# Altium PCB Main.PcbDoc (part 2 of 2)
Units mil, origin at the board's own origin, x right, y up, seen from the top; angles counter-clockwise.
Board outline 4133.86 x 4133.86 mil, 2 copper layers (Top Layer, Bottom Layer), stack 55.118 mil thick; 98 components, 143 nets, 449 pads, 452 vias.
Unrouted connection lines stored in the file: 10.
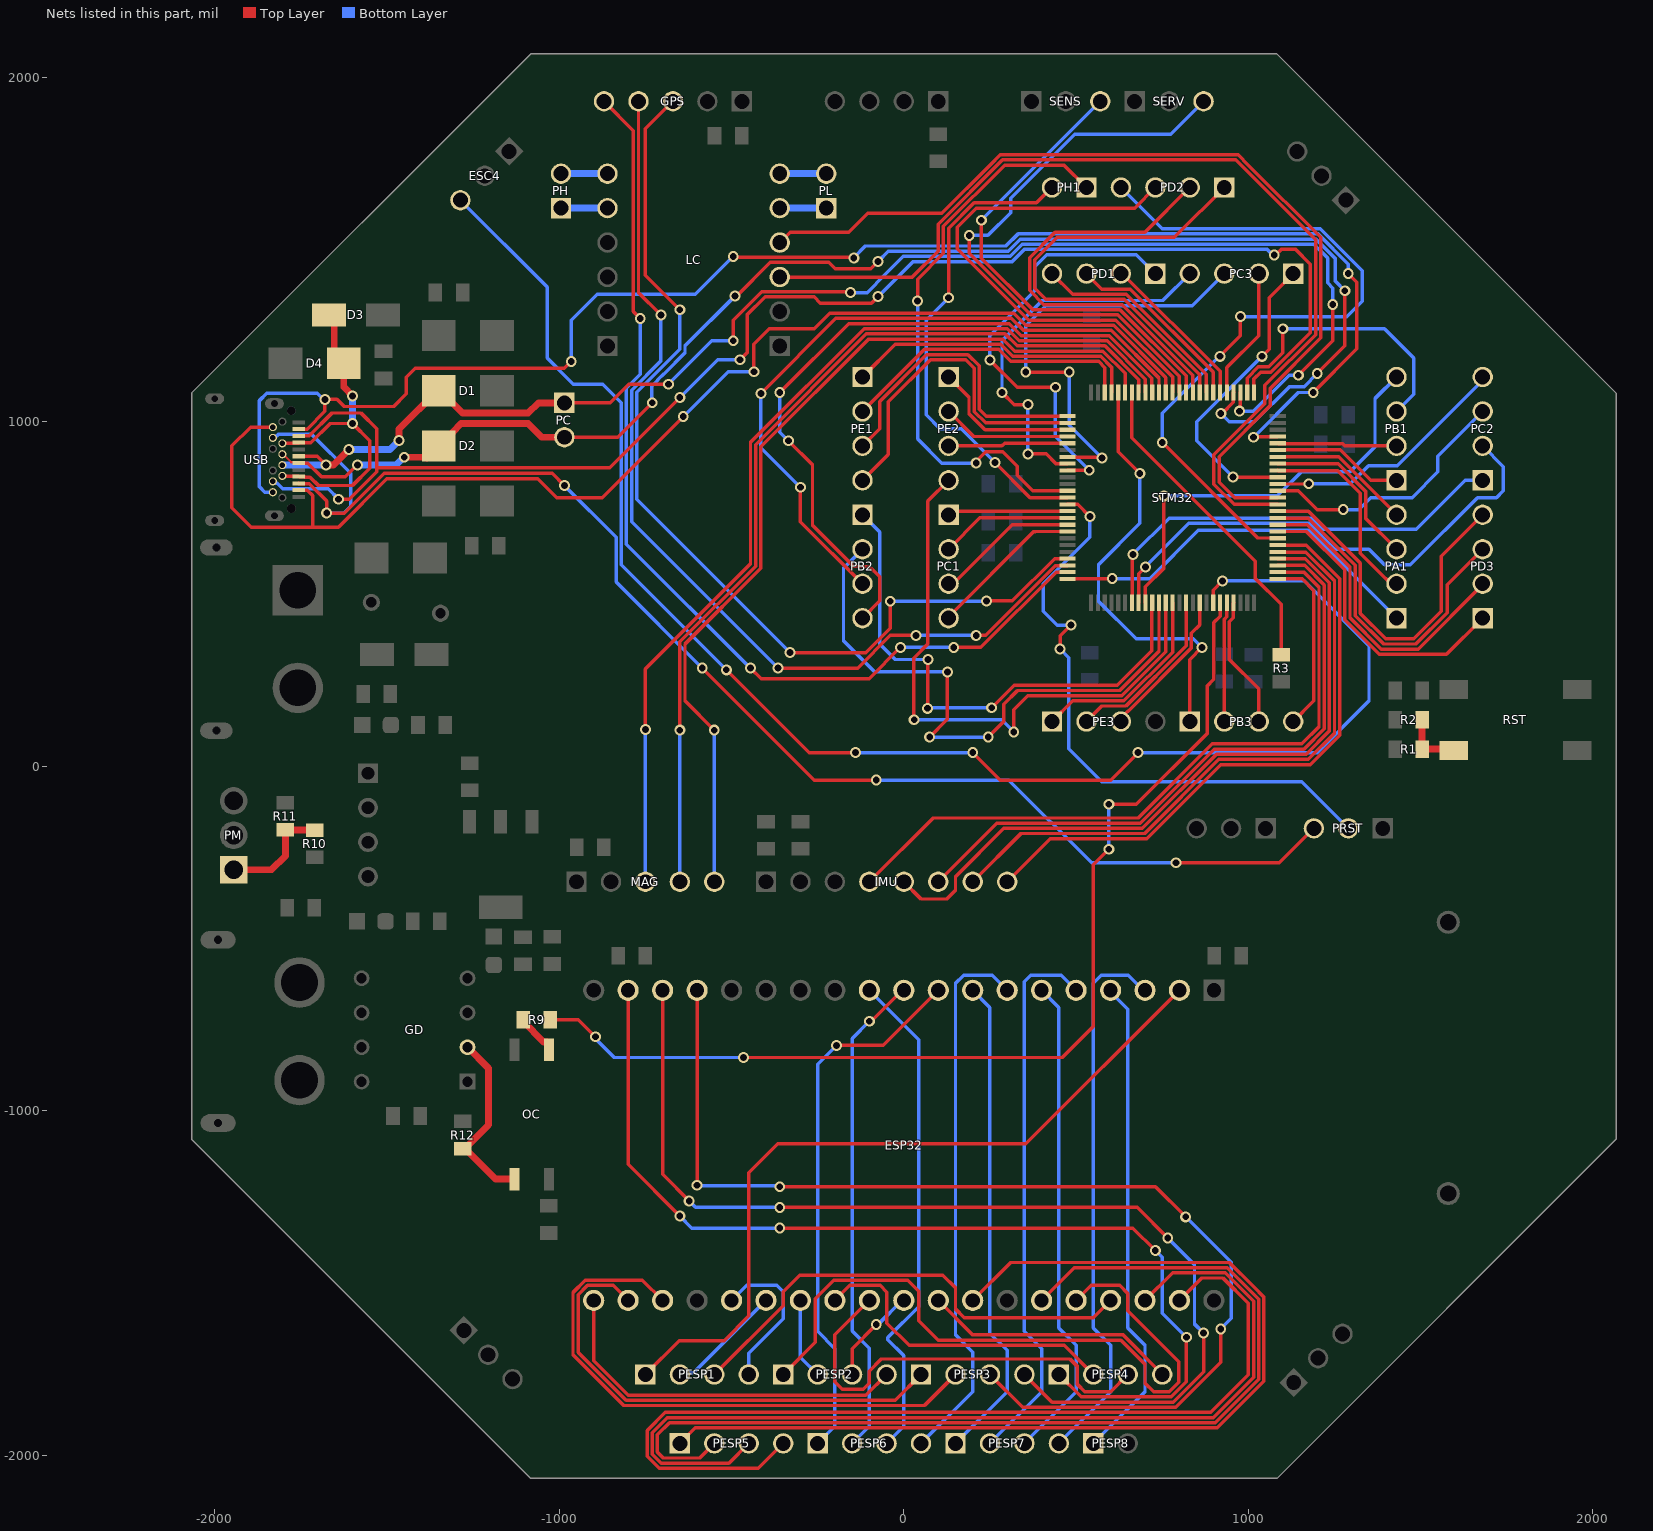
[diagram p2: the nets of this part, all layers, seen from the top]

## Via types
v1: diameter 31.5, hole 19.68, Top Layer to Bottom Layer, 445 vias
v2: diameter 196.85, hole 137.8, Top Layer to Bottom Layer, 4 vias
v3: diameter 50, hole 28, Top Layer to Bottom Layer, 3 vias

## Nets (pads, with @x,y where several pads share a name; then routed paths per layer and width w, separated by ;. In a path a pad name is that pad's centre, name@x,y a point inside that pad or via, vN(x,y) a via of type N, cw(c..) or ccw(c..) an arc to the next point about the centre after c; other vN are vias at no path point) (continued)
NetESC4_3: ESC4.3 STM32.44 | length 4562.8
  Top Layer w10: v1(-515,280) -275,40 v1(-140,40) ; v1(200,40) 280,-40 600,-40 v1(680,40) ; STM32.44@898.11,474.88 898.11,511.46 v1(924.74,538.08)
  Bottom Layer w10: ESC4.3@-1286.93,1643.07 -1035,1391.14 -1035,1185 -958.75,1108.75 -873.75,1108.75 -820,1055 -820,585 v1(-515,280) ; v1(-140,40) v1(200,40) ; v1(680,40) 1200,40 1350,190 1350,350 1161.92,538.08 v1(924.74,538.08)
NetESP32_2: ESP32.2 PESP1.1 | length 2254.9
  Top Layer w10: PESP1.1@-750,-1765 -651.53,-1666.53 -521.53,-1666.53 -450,-1595 -450,-1180 -365.89,-1095.89 354.11,-1095.89 ESP32.2@800,-650
NetESP32_3: ESP32.3 PESP7.4 | length 1594.6
  Bottom Layer w10: PESP7.4@450,-1965 600,-1815 600,-1680 550,-1630 550,-629.39 572.98,-606.42 651.42,-606.42 ESP32.3@697.5,-652.5
NetESP32_4: ESP32.4 PESP8.1 | length 1417.1
  Bottom Layer w10: PESP8.1@550,-1965 574.53,-1940.47 700,-1815 700,-1680 650,-1630 650,-705 ESP32.4@597.5,-652.5
NetESP32_5: ESP32.5 PESP7.2 | length 1602.8
  Bottom Layer w10: PESP7.2@250,-1965 400,-1815 400,-1690 350,-1640 350,-625 368.58,-606.42 456.42,-606.42 ESP32.5@502.98,-652.98
NetESP32_6: ESP32.6 PESP7.3 | length 1418.2
  Bottom Layer w10: PESP7.3@350,-1965 500,-1815 500,-1680 450,-1630 450,-700 ESP32.6@400.27,-650.27
NetESP32_7: ESP32.7 PESP6.4 | length 1595.7
  Bottom Layer w10: PESP6.4@50,-1965 200,-1815 200,-1700 150,-1650 150,-630 173.58,-606.42 256.42,-606.42 ESP32.7@300,-650
NetESP32_8: ESP32.8 PESP7.1 | length 1418.6
  Bottom Layer w10: PESP7.1@150,-1965 300,-1815 300,-1695 250,-1645 250,-700 ESP32.8@200,-650
NetESP32_9: ESP32.9 PESP6.1 | length 1580.5
  Top Layer w10: v1(-195,-810) -60,-810 ESP32.9@100,-650
  Bottom Layer w10: PESP6.1@-250,-1965 -200,-1915 -200,-1690 -250,-1640 -250,-865 v1(-195,-810)
NetESP32_10: ESP32.10 PESP6.2 | length 1424.4
  Top Layer w10: v1(-100,-740) -95,-740 -5,-650 ESP32.10@0,-650
  Bottom Layer w10: PESP6.2@-150,-1965 -100,-1915 -100,-1688.76 -150,-1638.76 -150,-790 v1(-100,-740)
NetESP32_11: ESP32.11 PESP6.3 | length 1451.4
  Bottom Layer w10: ESP32.11@-100,-650 43.58,-793.58 43.58,-1568.05 -46.08,-1657.71 -46.08,-1663.92 0,-1710 0,-1915 PESP6.3@-50,-1965
NetESP32_16: ESP32.16 PESP3.3 | length 3273.7
  Top Layer w10: v1(-600,-1215.76) ESP32.16@-600,-650 ; v1(-360,-1220) 730.48,-1220 v1(817.99,-1307.51) ; PESP3.3@250,-1765 345,-1860 788.64,-1860 919.65,-1728.99 v1(919.65,-1632.59)
  Bottom Layer w10: v1(-600,-1215.76) -597.88,-1217.88 -362.12,-1217.88 v1(-360,-1220) ; v1(817.99,-1307.51) 950,-1439.52 950,-1602.24 v1(919.65,-1632.59)
NetESP32_17: ESP32.17 PESP3.4 | length 3098
  Top Layer w10: ESP32.17@-700,-650 -700,-1184.47 v1(-622.98,-1261.49) ; v1(-360,-1280) 677.38,-1280 v1(766.19,-1368.81) ; PESP3.4@350,-1765 430,-1845 782.43,-1845 870,-1757.43 v1(870,-1645)
  Bottom Layer w10: v1(-622.98,-1261.49) -604.47,-1280 v1(-360,-1280) ; v1(766.19,-1368.81) 843.58,-1446.2 843.58,-1618.58 v1(870,-1645)
NetESP32_18: ESP32.18 PESP4.1 | length 2972.3
  Top Layer w10: ESP32.18@-800,-650 -800,-1155 v1(-650,-1305) ; v1(-360,-1340) 665,-1340 v1(730,-1405) ; PESP4.1@450,-1765 515,-1830 776.21,-1830 820.23,-1785.98 v1(820.23,-1656.95)
  Bottom Layer w10: v1(-650,-1305) -615,-1340 v1(-360,-1340) ; v1(730,-1405) 750,-1425 750,-1586.71 v1(820.23,-1656.95)
NetESP32_21: ESP32.21 PESP5.4 | length 2791.3
  Top Layer w10: PESP5.4@-350,-1965 -422.4,-2037.4 -710.02,-2037.4 -745,-2002.43 -745,-1927.57 -692.43,-1875 891.36,-1875 1000,-1766.36 1000,-1558.64 926.36,-1485 865,-1485 ESP32.21@800,-1550
NetESP32_22: ESP32.22 PESP5.3 | length 2791.3
  Top Layer w10: PESP5.3@-450,-1965 -507.4,-2022.4 -703.81,-2022.4 -730,-1996.21 -730,-1933.79 -686.21,-1890 855,-1890 876.21,-1890 897.57,-1890 1015,-1772.57 1015,-1751.21 1015,-1730 1015,-1552.43 985,-1522.43 932.57,-1470 780,-1470 ESP32.22@700,-1550
NetESP32_23: ESP32.23 PESP1.3 | length 1400.7
  Top Layer w10: PESP1.3@-550,-1765 -350,-1565 -350,-1525 -301.42,-1476.42 112.63,-1476.42 150,-1513.79 150,-1575 175,-1600 550,-1600 ESP32.23@600,-1550
NetESP32_24: ESP32.24 PESP2.1 | length 2058.9
  Top Layer w10: PESP2.1@-350,-1765 -256.42,-1671.42 -256.42,-1544.78 -203.05,-1491.42 11.42,-1491.42 43.58,-1523.58 43.58,-1608.58 100.31,-1665.31 630.31,-1665.31 700,-1735 700,-1790 725,-1815 770,-1815 797.6,-1787.4 797.6,-1727.6 650,-1580 650,-1530 626.42,-1506.42 543.58,-1506.42 ESP32.24@500,-1550
NetESP32_25: ESP32.25 PESP5.2 | length 2991.3
  Top Layer w10: PESP5.2@-550,-1965 -592.4,-2007.4 -697.6,-2007.4 -715,-1990 -715,-1940 -680,-1905 861.21,-1905 882.43,-1905 903.79,-1905 1030,-1778.79 1030,-1757.43 1030,-1736.21 1030,-1546.21 1000,-1516.21 938.79,-1455 495,-1455 ESP32.25@400,-1550
NetESP32_27: ESP32.27 PESP5.1 | length 2946.5
  Top Layer w10: PESP5.1@-650,-1965 -605,-1920 867.43,-1920 888.64,-1920 910,-1920 1045,-1785 1045,-1763.64 1045,-1742.43 1045,-1540 1015,-1510 945,-1440 310,-1440 ESP32.27@200,-1550
NetESP32_28: ESP32.28 PESP4.4 | length 739.8
  Top Layer w10: ESP32.28@100,-1550 200.31,-1650.31 636.52,-1650.31 750,-1763.79 PESP4.4@750,-1765
NetESP32_29: ESP32.29 PESP2.3 | length 283
  Top Layer w10: PESP2.3@-150,-1765 -150,-1690 v1(-80,-1620)
  Bottom Layer w10: v1(-80,-1620) -75,-1620 -5,-1550 ESP32.29@0,-1550
NetESP32_30: ESP32.30 PESP4.3 | length 1283.4
  Top Layer w10: ESP32.30@-100,-1550 -200,-1650 -200,-1785.61 -178.2,-1807.4 -117.4,-1807.4 -100,-1790 -100,-1755.04 -64.96,-1720 482.26,-1720 503.99,-1741.73 503.99,-1793.99 525,-1815 600,-1815 PESP4.3@650,-1765
NetESP32_31: ESP32.31 PESP4.2 | length 927.9
  Top Layer w10: ESP32.31@-200,-1550 -156.42,-1506.42 -68.58,-1506.42 -49.25,-1525.75 -49.25,-1615.75 15.31,-1680.31 465.31,-1680.31 PESP4.2@550,-1765
NetESP32_32: ESP32.32 PESP2.2 | length 235.7
  Bottom Layer w10: ESP32.32@-300,-1550 -300,-1715 PESP2.2@-250,-1765
NetESP32_33: ESP32.33 PESP1.2 | length 339.1
  Bottom Layer w10: PESP1.2@-650,-1765 -645.47,-1760.47 -610.47,-1760.47 ESP32.33@-400,-1550
NetESP32_34: ESP32.34 PESP1.4 | length 457.2
  Bottom Layer w10: ESP32.34@-500,-1550 -456.42,-1506.42 -368.58,-1506.42 -350,-1525 -350,-1602.83 -450,-1702.83 PESP1.4@-450,-1765
NetESP32_36: ESP32.36 PESP3.2 | length 1687.7
  Top Layer w10: ESP32.36@-700,-1550 -758.58,-1491.42 -924.27,-1491.42 -960,-1527.15 -960,-1707.43 -812.43,-1855 60,-1855 PESP3.2@150,-1765
NetESP32_37: ESP32.37 PESP3.1 | length 1425.6
  Top Layer w10: ESP32.37@-800,-1550 -843.58,-1506.42 -918.05,-1506.42 -945,-1533.36 -945,-1701.21 -806.21,-1840 -25,-1840 PESP3.1@50,-1765
NetESP32_38: ESP32.38 PESP2.4 | length 1091.3
  Top Layer w10: ESP32.38@-900,-1550 -900,-1725 -800,-1825 -110,-1825 PESP2.4@-50,-1765
NetGD_2: GD.2 OC.3 R12.2 | length 535.1
  Top Layer w20: R12.2@-1280,-1109.37 R12.2@-1274.09,-1109.37 ; GD.2@-1266.26,-815 -1205,-876.26 -1205,-1040.28 R12.2@-1274.09,-1109.37 ; OC.3@-1130,-1197.99 -1185.47,-1197.99 R12.2@-1274.09,-1109.37
NetGPS_3: GPS.3 STM32.22 | length 2874.5
  Top Layer w10: GPS.3@-670,1930 -750,1850 -750,1425 v1(-650,1325) ; v1(-330,330) -110,330 -39.25,400.75 v1(-39.25,479.25) ; v1(240,480) 315,480 437.83,602.83 STM32.22@474.88,602.83
  Bottom Layer w10: v1(-650,1325) -650,1210.03 -775,1085.03 -775,775 v1(-330,330) ; v1(-39.25,479.25) 239.25,479.25 v1(240,480)
NetGPS_4: GPS.4 STM32.23 | length 2846.6
  Top Layer w10: GPS.4@-770,1930 -770,1375 v1(-705,1310) ; v1(-365,285) -133.79,285 -38.79,380 v1(35,380) ; v1(210,380) 237.56,380 439.9,582.34 474.07,582.34 STM32.23@474.88,583.15
  Bottom Layer w10: v1(-705,1310) -705,1176.24 -790,1091.24 -790,710 v1(-365,285) ; v1(35,380) v1(210,380)
NetGPS_5: GPS.5 STM32.24 | length 2914.9
  Top Layer w10: GPS.5@-870,1930 -785,1845 -785,1320 v1(-765,1300) ; v1(-445,285) -414.25,254.25 -100.75,254.25 v1(-10,345) ; v1(145,345) 223.77,345 442.24,563.46 STM32.24@474.88,563.46
  Bottom Layer w10: v1(-765,1300) -765,1137.46 -805,1097.46 -805,645 v1(-445,285) ; v1(-10,345) v1(145,345)
NetIMU_4: IMU.4 STM32.52 | length 2034.4
  Top Layer w10: IMU.4@-100,-335 85,-150 680.15,-150 895.15,65 1155.15,65 1205,114.85 1205,520 1161.54,563.46 STM32.52@1085.12,563.46
NetIMU_5: IMU.5 STM32.54 | length 2090.1
  Top Layer w10: IMU.5@0,-335 50,-385 125,-385 150,-360 150,-320 290,-180 692.57,-180 907.57,35 1167.57,35 1235,102.43 1235,532.43 1165.4,602.02 1085.93,602.02 STM32.54@1085.12,602.83
NetIMU_6: IMU.6 STM32.53 | length 1879.8
  Top Layer w10: IMU.6@100,-335 270,-165 686.36,-165 901.36,50 1161.36,50 1220,108.64 1220,526.21 1163.06,583.15 STM32.53@1085.12,583.15
NetIMU_7: IMU.7 STM32.55 | length 1870.7
  Top Layer w10: IMU.7@200,-335 340,-195 698.79,-195 913.79,20 1173.79,20 1250,96.21 1250,538.64 1166.93,621.71 1085.93,621.71 STM32.55@1085.12,622.52
NetIMU_8: IMU.8 STM32.56 | length 1816.1
  Top Layer w10: IMU.8@300,-335 425,-210 705,-210 920,5 1180,5 1265,90 1265,544.85 1167.65,642.2 STM32.56@1085.12,642.2
NetLC_3: LC.3 STM32.62 | length 2879.2
  Top Layer w10: LC.3@-360,1420 25,1420 100,1495 100,1573.64 286.36,1760 963.79,1760 1195,1528.79 1195,1252.57 1047.86,1105.43 1047.86,1052.56 900,904.7 900,818.79 958.47,760.31 STM32.62@1085.12,760.31
NetLC_4: LC.4 STM32.63 | length 2796
  Top Layer w10: LC.4@-360,1520 -330,1550 -160,1550 -105,1605 110.15,1605 250.15,1745 280.15,1775 970,1775 1000,1745 1210,1535 1210,1243.48 1062.86,1096.34 1062.86,1046.34 915,898.48 915,825 960,780 STM32.63@1085.12,780
NetLC_5: LC.5 PL.1 | length 135
  Bottom Layer w20: LC.5@-360,1620 PL.1@-225,1620
NetLC_6: LC.6 PL.2 | length 135
  Bottom Layer w20: LC.6@-360,1720 PL.2@-225,1720
NetLC_11: LC.11 PH.1 | length 135
  Bottom Layer w20: PH.1@-995,1620 LC.11@-860,1620
NetLC_12: LC.12 PH.2 | length 135
  Bottom Layer w20: PH.2@-995,1720 LC.12@-860,1720
NetMAG_3: MAG.3 STM32.92 | length 2783.6
  Top Layer w10: v1(-750,106.68) -750,282.43 -445,587.43 -445,940 -115,1270 299.85,1270 334.85,1235 590.15,1235 701.26,1123.89 STM32.92@701.26,1085.12
  Bottom Layer w10: MAG.3@-750,-335 v1(-750,106.68)
NetMAG_4: MAG.4 STM32.93 | length 2696.7
  Top Layer w10: v1(-650,105) -650,361.21 -430,581.21 -430,933.79 -108.79,1255 293.64,1255 328.64,1220 583.93,1220 681.57,1122.36 STM32.93@681.57,1085.12
  Bottom Layer w10: MAG.4@-650,-335 v1(-650,105)
NetMAG_5: MAG.5 STM32.95 | length 2672.1
  Top Layer w10: v1(-550,105) -635,190 -635,355 -415,575 -415,927.57 -102.57,1240 287.43,1240 322.43,1205 577.72,1205 642.2,1140.52 STM32.95@642.2,1085.12
  Bottom Layer w10: MAG.5@-550,-335 v1(-550,105)
NetOC_A: OC.1 R9.1 | length 124.2
  Top Layer w20: R9.1@-1104.37,-735 -1104.37,-740.91 -1045.75,-799.53 -1034.76,-799.53 -1030,-804.29 OC.1@-1030,-822.01
NetPA1_1: PA1.1 STM32.25 | length 1119.2
  Top Layer w10: STM32.25@474.88,543.78 475.49,544.39 604.39,544.39 v1(605,545)
  Bottom Layer w10: v1(605,545) 715,545 855,685 1175,685 PA1.1@1430,430
NetPA1_2: PA1.2 STM32.67 | length 582.8
  Top Layer w10: STM32.67@1085.12,858.74 1085.93,857.93 1259.64,857.93 1325,792.57 1325,618.86 1388.89,554.96 1404.47,539.39 1420.61,539.39 PA1.2@1430,530
NetPA1_3: PA1.3 STM32.68 | length 493.9
  Top Layer w10: STM32.68@1085.12,878.43 1260.36,878.43 1340,798.79 1340,720 PA1.3@1430,630
NetPA1_4: PA1.4 STM32.69 | length 414.5
  Top Layer w10: STM32.69@1085.12,898.11 1261.89,898.11 PA1.4@1430,730
NetPB1_1: PB1.1 STM32.70 | length 381.9
  Top Layer w10: STM32.70@1085.12,917.8 1085.93,918.61 1266.39,918.61 1355,830 PB1.1@1430,830
NetPB1_2: PB1.2 STM32.71 | length 348
  Top Layer w10: STM32.71@1085.12,937.48 1085.93,936.67 1273.33,936.67 1280,930 PB1.2@1430,930
NetPB1_3: PB1.3 STM32.77 | length 836.2
  Top Layer w10: STM32.77@996.54,1085.12 996.54,1126.54 1029.13,1159.13 1059.13,1159.13 1100,1200 v1(1100,1270)
  Bottom Layer w10: v1(1100,1270) 1395,1270 1480,1185 1480,1080 PB1.3@1430,1030
NetPB1_4: PB1.4 STM32.34 | length 1232.3
  Top Layer w10: STM32.34@701.26,474.88 701.26,520.61 755,574.35 v1(755,785)
  Bottom Layer w10: v1(755,785) 1084.21,785 1154.21,855 1295,855 1367.5,927.5 1367.5,1067.5 PB1.4@1430,1130
NetPB2_1: PB2.1 STM32.35 | length 1556.8
  Top Layer w10: v1(69.01,168.26) 69.5,168.75 69.5,309.5 v1(70,310) ; v1(255,170) 320,235 620,235 720.13,335.13 720.13,474.07 STM32.35@720.94,474.88
  Bottom Layer w10: PB2.1@-120,730 -70,680 -70,355 -25,310 v1(70,310) ; v1(69.01,168.26) 70.37,169.63 254.63,169.63 v1(255,170)
NetPB2_2: PB2.2 STM32.36 | length 1775.8
  Top Layer w10: v1(75,85) 126.56,136.56 v1(126.56,273.44) ; v1(245,85) 290,130 290,180 330,220 626.21,220 740.63,334.42 STM32.36@740.63,474.88
  Bottom Layer w10: PB2.2@-120,630 -175,575 -175,365 -85,275 125,275 v1(126.56,273.44) ; v1(75,85) v1(245,85)
NetPB2_3: PB2.3 STM32.90 | length 2033.5
  Top Layer w10: v1(-414.34,1082.33) -414.34,1082.9 -197.24,1300 312.28,1300 347.28,1265 602.57,1265 740.63,1126.94 STM32.90@740.63,1085.12 ; v1(-300,810) -300,710 PB2.3@-120,530
  Bottom Layer w10: v1(-414.34,1082.33) -414.65,1082.01 -414.65,924.65 v1(-300,810)
NetPB2_4: PB2.4 STM32.91 | length 2092.4
  Top Layer w10: v1(-360,1085) -160,1285 306.07,1285 341.07,1250 596.36,1250 720.13,1126.23 720.13,1103.62 720.94,1102.81 STM32.91@720.94,1085.12 ; v1(-335,945) -265,875 -265,700 -145,580 -100,580 -70,550 -70,480 PB2.4@-120,430
  Bottom Layer w10: v1(-360,1085) -360,970 v1(-335,945)
NetPB3_1: PB3.1 STM32.96 | length 1266.7
  Top Layer w10: STM32.96@622.52,1085.12 622.52,912.48 v1(685,850) ; PB3.1@830,130 830,309.88 v1(865.12,345)
  Bottom Layer w10: v1(685,850) 685,705 565,585 565,479.22 674.22,370 840.12,370 v1(865.12,345)
NetPB3_2: PB3.2 STM32.46 | length 348
  Top Layer w10: PB3.2@930,130 930,426.21 937.48,433.69 STM32.46@937.48,474.88
NetPB3_3: PB3.3 STM32.47 | length 385.1
  Top Layer w10: STM32.47@957.17,474.88 956.35,474.07 956.35,431.35 945,420 945,310.13 1030,225.13 PB3.3@1030,130
NetPB3_4: PB3.4 STM32.51 | length 523.7
  Top Layer w10: STM32.51@1085.12,543.78 1156.22,543.78 1190,510 1190,190 PB3.4@1130,130
NetPC1_1: PC1.1 STM32.15 | length 349.3
  Top Layer w10: PC1.1@130,730 140.63,740.63 STM32.15@474.88,740.63
NetPC1_2: PC1.2 STM32.16 | length 382.6
  Top Layer w10: PC1.2@130,630 220.94,720.94 STM32.16@474.88,720.94
NetPC1_3: PC1.3 STM32.17 | length 415.8
  Top Layer w10: PC1.3@130,530 142.97,530 314.23,701.26 STM32.17@474.88,701.26
NetPC1_4: PC1.4 STM32.18 | length 451.8
  Top Layer w10: PC1.4@130,430 130,434.67 376.75,681.41 381.41,681.41 381.57,681.57 STM32.18@474.88,681.57
NetPC2_1: PC2.1 STM32.32 | length 1272.3
  Top Layer w10: STM32.32@661.89,474.88 662.7,475.69 662.7,612.7 v1(665,615)
  Bottom Layer w10: v1(665,615) 770,720 1182.43,720 1214.83,687.6 1487.6,687.6 1630,830 PC2.1@1680,830
NetPC2_2: PC2.2 STM32.33 | length 1496.7
  Top Layer w10: STM32.33@681.57,474.88 681.57,559.19 v1(701.19,578.81)
  Bottom Layer w10: v1(701.19,578.81) 827.38,705 1176.21,705 1251.21,630 1350,630 1395,585 1470,585 1665,780 1720,780 1740,800 1740,870 PC2.2@1680,930
NetPC2_3: PC2.3 STM32.64 | length 761.9
  Top Layer w10: STM32.64@1085.12,799.68 1145.32,799.68 1199.99,745.01 v1(1275.14,745.01)
  Bottom Layer w10: v1(1275.14,745.01) 1320.01,745.01 1355,780 1475,780 1550,855 1550,900 PC2.3@1680,1030
NetPC2_4: PC2.4 STM32.65 | length 729.4
  Top Layer w10: STM32.65@1085.12,819.37 1174.37,819.37 v1(1175,820)
  Bottom Layer w10: v1(1175,820) 1296.21,820 1348.61,872.4 1432.37,872.4 1680,1120.04 PC2.4@1680,1130
NetPC3_1: PC3.1 STM32.66 | length 880
  Top Layer w10: v1(955,840) 955.47,839.53 1084.65,839.53 STM32.66@1085.12,839.06 ; v1(1039.39,1189.88) 1060,1210.49 1060,1360 PC3.1@1130,1430
  Bottom Layer w10: v1(955,840) 850,945 850,999.88 1039.39,1189.28 v1(1039.39,1189.88)
NetPC3_2: PC3.2 STM32.80 | length 383.2
  Top Layer w10: STM32.80@937.48,1085.12 937.48,1157.48 1030,1250 PC3.2@1030,1430
NetPC3_3: PC3.3 STM32.7 | length 1289.7
  Top Layer w10: v1(353.7,1144.25) v1(480,1144.25) ; STM32.7@474.88,898.11 475.69,897.3 572.7,897.3 v1(575,895)
  Bottom Layer w10: v1(353.7,1144.25) 353.7,1278.7 411.93,1336.93 836.93,1336.93 PC3.3@930,1430 ; v1(480,1144.25) 480,990 v1(575,895)
NetPC3_4: PC3.4 STM32.8 | length 1135.2
  Top Layer w10: v1(285,1085) 320.28,1049.72 v1(360.28,1049.72) ; v1(360.12,906.73) 413.27,906.73 441.57,878.43 STM32.8@474.88,878.43
  Bottom Layer w10: v1(285,1085) 285,1235 401.93,1351.93 751.93,1351.93 PC3.4@830,1430 ; v1(360.12,906.73) 360.2,906.81 360.2,1049.64 v1(360.28,1049.72)
NetPD1_1: PD1.1 STM32.9 | length 1279.7
  Top Layer w10: v1(250,1179.25) 329.25,1100 v1(440,1100) ; STM32.9@474.88,858.74 475.2,859.06 537.94,859.06 v1(538.26,859.37)
  Bottom Layer w10: v1(250,1179.25) 250,1250 380,1380 380,1450 415,1485 675,1485 PD1.1@730,1430 ; v1(440,1100) 440,957.63 v1(538.26,859.37)
NetPD1_2: PD1.2 STM32.81 | length 466.3
  Top Layer w10: PD1.2@630,1430 633.81,1430 917.8,1146.01 STM32.81@917.8,1085.12
NetPD1_3: PD1.3 STM32.82 | length 545.7
  Top Layer w10: PD1.3@530,1430 575,1385 657.59,1385 898.11,1144.48 STM32.82@898.11,1085.12
NetPD1_4: PD1.4 STM32.83 | length 622
  Top Layer w10: PD1.4@430,1430 490,1370 646.07,1370 877.61,1138.45 877.61,1085.93 STM32.83@878.43,1085.12
NetPD2_1: PD2.1 STM32.84 | length 1365
  Top Layer w10: STM32.84@858.74,1085.12 858.74,1136.11 639.85,1355 412.43,1355 380,1387.43 380,1470 445,1535 785,1535 PD2.1@938.19,1688.19
NetPD2_2: PD2.2 STM32.85 | length 1296
  Top Layer w10: PD2.2@825,1680 PD2.2@850.91,1680 ; PD2.2@830,1680 700,1550 438.79,1550 365,1476.21 365,1381.21 406.21,1340 633.64,1340 838.24,1135.4 838.24,1085.93 STM32.85@839.06,1085.12
NetPD2_3: PD2.3 STM32.88 | length 1509.3
  Top Layer w10: PD2.3@730,1680 670,1620 210,1620 155,1565 155,1502.57 362.57,1295 615,1295 780,1130 STM32.88@780,1085.12
NetPD2_4: PD2.4 STM32.57 | length 2172
  Top Layer w10: v1(750,940) 1027.3,662.7 1084.31,662.7 STM32.57@1085.12,661.89 ; v1(917.41,1189.88) 976.96,1249.44 v1(976.96,1305.65)
  Bottom Layer w10: PD2.4@630,1680 750,1560 1208.79,1560 1330,1438.79 1330,1350 1285,1305 977.62,1305 v1(976.96,1305.65) ; v1(750,940) 750,1024.88 915,1189.88 v1(917.41,1189.88)
NetPD3_1: PD3.1 STM32.58 | length 871.1
  Top Layer w10: STM32.58@1085.12,681.57 1168.43,681.57 1280,570 1280,424.85 1379.85,325 1575,325 PD3.1@1680,430
NetPD3_2: PD3.2 STM32.59 | length 910.5
  Top Layer w10: STM32.59@1085.12,701.26 1171.31,701.26 1295,577.57 1295,431.07 1386.07,340 1492.43,340 1680,527.57 PD3.2@1680,530
NetPD3_3: PD3.3 STM32.60 | length 993.8
  Top Layer w10: STM32.60@1085.12,720.94 1085.93,720.13 1173.65,720.13 1310,583.79 1310,437.28 1392.28,355 1486.21,355 1577.2,445.99 1577.2,527.2 PD3.3@1680,630
NetPD3_4: PD3.4 STM32.61 | length 1077.1
  Top Layer w10: STM32.61@1085.12,740.63 1174.37,740.63 1325,590 1325,443.49 1398.49,370 1480,370 1560,450 1560,610 PD3.4@1680,730
NetPE1_1: PE1.1 STM32.97 | length 863.2
  Top Layer w10: PE1.1@-120,1130 -25,1225 281.21,1225 316.21,1190 571.51,1190 602.83,1158.67 STM32.97@602.83,1085.12
NetPE1_2: PE1.2 STM32.98 | length 871.6
  Top Layer w10: PE1.2@-120,1030 60,1210 275,1210 310,1175 565.29,1175 583.15,1157.14 STM32.98@583.15,1085.12
NetPE1_3: PE1.3 STM32.1 | length 898.8
  Top Layer w10: PE1.3@-120,930 -70,980 -70,1058.79 61.21,1190 66.21,1195 167.57,1195 186.21,1195 219.25,1161.96 219.25,1035.75 238.78,1016.22 STM32.1@474.88,1016.22
NetPE1_4: PE1.4 STM32.2 | length 979.1
  Top Layer w10: PE1.4@-120,830 -45,905 -45,1057.5 77.5,1180 180,1180 204.25,1155.75 204.25,1029.53 237.25,996.54 STM32.2@474.88,996.54
NetPE2_1: PE2.1 STM32.3 | length 436.1
  Top Layer w10: PE2.1@130,1130 189.25,1070.75 189.25,1023.32 235.72,976.85 STM32.3@474.88,976.85
NetPE2_2: PE2.2 STM32.4 | length 375.1
  Top Layer w10: PE2.2@130,1030 202.83,957.17 STM32.4@474.88,957.17
NetPE2_3: PE2.3 STM32.5 | length 348
  Top Layer w10: PE2.3@130,930 285,930 292.48,937.48 STM32.5@474.88,937.48
NetPE2_4: PE2.4 STM32.37 | length 1758.1
  Top Layer w10: v1(30,135) 29.06,135.94 29.06,314.06 70,355 70,770 PE2.4@130,830 ; v1(319.25,100) 319.25,164.25 360,205 632.43,205 760.31,332.89 STM32.37@760.31,474.88
  Bottom Layer w10: v1(30,135) 284.25,135 v1(319.25,100)
NetPE3_1: PE3.1 STM32.38 | length 576.9
  Top Layer w10: PE3.1@430,130 490,190 638.64,190 780,331.36 STM32.38@780,474.88
NetPE3_2: PE3.2 STM32.40 | length 505.7
  Top Layer w10: PE3.2@530,130 575,175 644.85,175 819.37,349.52 STM32.40@819.37,474.88
NetPE3_3: PE3.3 STM32.42 | length 440.4
  Top Layer w10: PE3.3@630,130 630,140.31 649.69,160 651.07,160 834.37,343.3 834.37,385.73 858.74,410.1 STM32.42@858.74,474.88
NetPH1_1: PH1.1 STM32.12 | length 1706.1
  Top Layer w10: v1(40,1350.75) 40,1413.79 115,1488.79 115,1567.43 292.57,1745 465,1745 PH1.1@530,1680 ; v1(210,880) 210,885 237.66,912.66 287.34,912.66 329.37,870.63 329.37,845.02 374.71,799.69 STM32.12@474.88,799.69
  Bottom Layer w10: v1(40,1350.75) 40,950 110,880 v1(210,880)
NetPH1_2: PH1.2 STM32.13 | length 1426.6
  Top Layer w10: v1(130,1360) 130,1561.21 203.79,1635 385,1635 PH1.2@430,1680 ; v1(264.27,881.91) 366.18,780 STM32.13@474.88,780
  Bottom Layer w10: v1(130,1360) 65,1295 65,1020 105,980 166.18,980 v1(264.27,881.91)
NetPM_G: PM.G R10.2 R11.2 | length 325.9
  Top Layer w20: PM.G@-1945,-300 -1835,-300 -1795,-260 R11.2@-1795,-184.37 R10.2@-1711.26,-184.37
NetPRST_2: PRST.2 STM32.14 | length 1796.4
  Top Layer w10: v1(453.7,340.75) 453.7,378.7 v1(485,410) ; STM32.14@474.88,760.31 504.68,760.31 v1(540,725)
  Bottom Layer w10: v1(453.7,340.75) 478.9,315.54 478.9,51.09 575,-45 1155,-45 PRST.2@1290,-180 ; v1(485,410) 445,410 405,450 405,530.35 540,665.35 v1(540,725)
NetR1_1: R1.1 R2.2 RST.3 | length 178
  Top Layer w20: R2.2@1504.37,135 R1.1@1504.37,50 1592.28,50 RST.3@1595.87,46.42
NetR3_2: R3.2 STM32.94 | length 946.8
  Top Layer w10: STM32.94@661.89,1085.12 661.89,953.11 1020,595 1020,545 1095,470 R3.2@1095,317.77
NetR9_2: R9.2 STM32.45 | length 3104.9
  Top Layer w10: R9.2@-1040,-735 -945,-735 v1(-895,-785) ; v1(-465,-845) 460,-845 550,-755 550,-285.75 v1(595,-240.75) ; v1(595,-110) 675,-110 880,95 880,232.5 900,252.5 900,417.43 917.8,435.22 STM32.45@917.8,474.88
  Bottom Layer w10: v1(-895,-785) -895,-790 -840,-845 v1(-465,-845) ; v1(595,-240.75) v1(595,-110)
NetSENS_3: SENS.3 STM32.86 | length 1381.8
  Top Layer w10: v1(225,1585) 225,1475 375,1325 627.43,1325 819.37,1133.06 STM32.86@819.37,1085.12
  Bottom Layer w10: v1(225,1585) SENS.3@570,1930
NetSERV_3: SERV.3 STM32.87 | length 1722
  Top Layer w10: v1(190,1540.75) 190,1488.79 368.79,1310 621.21,1310 799.68,1131.53 STM32.87@799.68,1085.12
  Bottom Layer w10: v1(190,1540.75) 244.23,1540.75 310,1606.52 310,1648.79 496.21,1835 775,1835 SERV.3@870,1930
NRST: PRST.3 USB.A10 USB.B10 | length 4086.3
  Top Layer w10: USB.A10@-1755.91,821.1 -1755.35,820.55 -1725.55,820.55 -1675,770 v1(-1675,735) -1623.79,735 -1508.42,850.37 -1020.37,850.37 v1(-985,815) ; v1(-585,285) -260,-40 v1(-80,-40) ; v1(790,-280) 1090,-280 PRST.3@1190,-180
  Bottom Layer w10: USB.B10@-1831.1,952.99 -1827.42,952.99 -1821.79,958.62 -1820.39,958.62 -1815.9,963.11 -1717.68,963.11 -1605,850.43 -1605,755 -1625,735 v1(-1675,735) ; v1(-985,815) -835,665 -835,535 v1(-585,285) ; v1(-80,-40) 305,-40 545,-280 v1(790,-280)
SWCLK: STM32.76 USB.A3 USB.B3 | length 4294
  Top Layer w10: USB.A3@-1755.91,958.9 -1725.71,958.9 -1725.71,959.29 -1659.59,1025.41 -1575.41,1025.41 -1530,980 -1530,866.3 ; v1(-1640.75,775) -1610,775 -1530,855 -1530,866.3 ; v1(-650,1070) -853.7,866.3 -1530,866.3 ; v1(-475,1180) -455,1200 -455,1310 -402.6,1362.4 -260.23,1362.4 -242.08,1344.25 -93.89,1344.25 v1(-74.89,1363.25) ; STM32.76@1016.22,1085.12 1016.22,1125.01 1035.35,1144.13 1065.35,1144.13 1180,1258.79 1180,1457.26 1137.26,1500 1095.67,1500 1079.92,1484.25 v1(1075,1484.25)
  Bottom Layer w10: USB.B3@-1831.1,827.01 -1827.42,827.01 -1821.79,821.38 -1818.75,821.38 -1803,805.63 -1670.63,805.63 -1640.75,775.75 v1(-1640.75,775) ; v1(-650,1070) -540,1180 v1(-475,1180) ; v1(-74.89,1363.25) 26.86,1465 315,1465 350,1500 1054.33,1500 1070.08,1484.25 v1(1075,1484.25)
SWDIO: STM32.72 USB.A2 USB.B2 | length 4694
  Top Layer w5: USB.A2@-1755.91,978.58 USB.A2@-1755.2,979.29
  Top Layer w10: USB.A2@-1755.2,979.29 -1754.49,978.58 -1731.42,978.58 -1680,1030 v1(-1680,1065) -1645,1065 -1624.25,1044.25 -1480.75,1044.25 -1444.22,1080.78 -1444.22,1128.85 -1418.07,1155 -985,1155 v1(-965,1175) ; v1(-495,1480) -492.5,1477.5 -147.5,1477.5 v1(-145,1475) ; v1(1015,955) 1016.35,956.35 1084.31,956.35 STM32.72@1085.12,957.17 ; v1(1188.22,1084.96) 1315,1211.74 1315,1405 1290,1430 v1(1290,1430.19)
  Bottom Layer w10: USB.B2@-1831.1,795.51 -1854.73,795.51 -1870,810.78 -1870,1061.66 -1849.24,1082.42 -1702.42,1082.42 -1685,1065 v1(-1680,1065) ; v1(-965,1175) -965,1295 -890,1370 -605,1370 v1(-495,1480) ; v1(-145,1475) -145,1476.52 -111.52,1510 296.36,1510 331.36,1545 1202.57,1545 1290,1457.57 v1(1290,1430.19) ; v1(1015,955) 1144.96,1084.96 v1(1188.22,1084.96)
SWO: STM32.89 USB.A11 USB.B11 | length 3663.5
  Top Layer w10: USB.B11@-1831.1,984.49 -1895.51,984.49 -1950,930 -1950,750 -1894.38,694.38 -1715.35,694.38 ; USB.A11@-1755.91,801.42 -1730.84,801.42 -1715.35,785.93 -1715.35,694.38 ; v1(-640,1015) -875,780 -1007.14,780 -1062.14,835 -1500,835 -1640.62,694.38 -1715.35,694.38 ; v1(-435,1145) -435,1225 -390,1270 -260,1270 -215,1315 318.49,1315 353.49,1280 608.79,1280 760.31,1128.47 STM32.89@760.31,1085.12
  Bottom Layer w10: v1(-640,1015) -510,1145 v1(-435,1145)
UART3_PC_RX: D2.K PC.2 STM32.79 USB.A7 USB.B7 | length 4292.3
  Top Layer w6: USB.B7@-1803.54,905.75 -1801.29,905.75 -1778.05,882.51 -1758.25,882.51 USB.A7@-1755.91,880.16
  Top Layer w10: USB.A7@-1755.91,880.16 -1730.16,880.16 -1690,840 -1621.35,840 -1586.55,874.8 v1(-1585.29,874.8) ; PC.2@-985,955 -830,955 v1(-730,1055) ; v1(-490,1365) -485,1365 -387.6,1462.4 -217.4,1462.4 -199.25,1444.25 -95.75,1444.25 v1(-75,1465) ; v1(920.04,1023.9) 923.97,1023.9 956.35,1056.29 956.35,1084.31 STM32.79@957.17,1085.12 ; v1(1199.96,1140.19) 1280,1220.22 v1(1280,1380)
  Top Layer w20: v1(-1450,897.05) -1386.69,897.05 -1384.65,895 D2.K@-1349.65,930 -1345.71,930 -1310.43,965.28 -1310.43,969.21 -1284.65,995 -1090,995 -1050,955 PC.2@-985,955
  Bottom Layer w10: v1(-730,1055) -731.66,1056.66 -731.66,1103.34 -714.06,1120.94 -714.06,1121.6 -696.04,1139.61 -695.39,1139.61 -635,1200 -635,1220 v1(-490,1365) ; v1(-75,1465) -45,1495 302.57,1495 337.57,1530 1196.36,1530 1252.74,1473.62 1252.74,1407.26 v1(1280,1380) ; v1(920.04,1023.9) 943.96,999.98 1017.33,999.98 1119.25,1101.89 1161.67,1101.89 v1(1199.96,1140.19)
  Bottom Layer w20: v1(-1585.29,874.8) -1473.28,874.8 -1451.04,897.05 v1(-1450,897.05)
UART3_PC_TX: D1.K PC.1 STM32.78 USB.A6 USB.B6 | length 4172.6
  Top Layer w10: USB.A6@-1755.91,899.84 -1702.21,899.84 v1(-1676.99,874.63) ; PC.1@-985,1055 -851.73,1055 -797.87,1108.86 v1(-683.31,1108.86) ; v1(-495,1235) -495,1295 -412.6,1377.4 -157.4,1377.4 v1(-155,1375) ; v1(974.28,1030.72) 976.04,1032.49 976.04,1084.31 STM32.78@976.85,1085.12 ; v1(1145,1135) 1245,1235 v1(1245,1340)
  Top Layer w20: v1(-1676.99,874.63) -1655.29,874.63 v1(-1610.66,919.25) ; v1(-1465,945.98) -1465,978.58 -1353.58,1090 D1.K@-1349.65,1090 -1345.71,1090 -1280.71,1025 -1090,1025 -1060,1055 PC.1@-985,1055
  Bottom Layer w10: USB.B6@-1803.54,874.25 USB.B6@-1803.36,874.44 ; v1@-1677.18,874.44 v1(-1676.99,874.63) ; v1(-683.31,1108.86) -557.17,1235 v1(-495,1235) ; v1(-155,1375) -106.62,1375 -54.12,1427.5 -53.95,1427.5 -1.45,1480 308.79,1480 343.79,1515 1190.15,1515 1230,1475.15 1230,1402.91 1245,1387.91 v1(1245,1340) ; v1(974.28,1030.72) 1014.08,1030.72 1118.36,1135 v1(1145,1135)
  Bottom Layer w20: USB.B6@-1803.36,874.44 v1@-1677.18,874.44 ; v1(-1610.66,919.25) -1490.75,919.25 -1465,945 v1(-1465,945.98)
VBUS: D3.A D4.K USB.A4 USB.A9 USB.B4 USB.B9 | length 1006.6
  Top Layer w10: USB.B4@-1803.54,842.76 -1802.48,841.69 -1756.81,841.69 -1755,839.88 -1739.19,839.88 -1738.8,839.49 -1723.27,839.49 -1698.79,815 -1600,815 -1550,865 -1550,945 v1@-1600,995 ; USB.B9@-1803.54,937.24 -1802.56,938.23 USB.A4@-1755.91,938.23 ; USB.A4@-1755,939.21 -1720.79,939.21 -1665,995 -1600.34,995 v1(-1600,994.66)
  Top Layer w20: D3.A@-1668.74,1310 -1652.95,1294.22 -1652.95,1197.6 D4.K@-1625.35,1170 -1625.35,1100.35 v1(-1600,1075)
  Bottom Layer w20: v1(-1600,994.66) v1(-1600,1075)
pads on no net: ESC1.2 ESC2.2 ESC3.2 ESC4.2 PM.D PM.S POW.N POW.P RST.2 RST.4 USB. USB.A8 USB.B8

## Polygon pours and split planes (outlines as drawn)
GND on Bottom Layer "Bottom GND" (solid, pour order 20): -1944.73,-1175 -1074.73,-2045 1075,-2045 2045,-1075 2045,1075 1075,2045 -1075,2045 -2045,1075 -2045,704.35 -1375.67,705.67 -1285,615 -1285,40 -1475,-150 -1570,-150 -1625,-205 -1625,-440 -1570,-495 -1280,-495 -1185,-590 -1185,-1080 -1280,-1175
BGND on Bottom Layer "Bottom BGND" (solid, pour order 19): -2015,40 -1850,40 cw(c-1850,10) -1820,10 -1820,-350 cw(c-1850,-350) -1850,-380 -2015,-380 ccw(c-2015,-410) -2045,-410 -2045,-1075 -1975,-1145 -1290,-1145 -1215,-1070 -1215,-600 -1290,-525 -1580,-525 -1652.64,-452.36 -1652.64,-192.64 -1580,-120 -1485,-120 -1310,55 -1310,600 -1385.72,675.72 -2045,674.41 -2045,70 ccw(c-2015,70)
GND on Top Layer "Top GND" (solid, pour order 18): -1944.73,-1175 -1074.73,-2045 1075,-2045 2045,-1075 2045,1075 1075,2045 -1075,2045 -2045,1075 -2045,704.35 -1375.67,705.67 -1285,615 -1285,40 -1475,-150 -1570,-150 -1625,-205 -1625,-440 -1570,-495 -1280,-495 -1185,-590 -1185,-1080 -1280,-1175
BGND on Top Layer "Top BGND" (solid, pour order 17): -2015,40 -1850,40 cw(c-1850,10) -1820,10 -1820,-350 cw(c-1850,-350) -1850,-380 -2015,-380 ccw(c-2015,-410) -2045,-410 -2045,-1075 -1975,-1145 -1290,-1145 -1215,-1070 -1215,-600 -1290,-525 -1580,-525 -1652.64,-452.36 -1652.64,-192.64 -1580,-120 -1485,-120 -1310,55 -1310,600 -1385.72,675.72 -2045,674.41 -2045,70 ccw(c-2015,70)

## Keep-outs
Top Layer:
  circle w20: c-1753.78,-910.98 r100
  circle w20: c-1753.78,-627.52 r100
  rectangle: -1868.78,400.98 -1648.78,620.98
Bottom Layer:
  circle w20: c-1753.78,-627.52 r100
  circle w20: c-1753.78,-910.98 r100
  rectangle: -1868.78,400.98 -1648.78,620.98

## Silkscreen, mask and mechanical layers (free items; w line width, h text height)
Top Overlay:
  lines w10: -1350,-1655 -1295,-1710 ; -1215,1805 -1160,1860 ; -607.5,1995 -532.5,1995 ; -600,-1915 -600,-1845 ; -299.61,-1915 -299.61,-1845 ; -237.5,1995 -162.5,1995 ; 0,-1915 0,-1845 ; 330,1995 405,1995 ; 400,-1915 400,-1845 ; 632.5,1995 707.5,1995 ; 692.5,65 767.5,65 ; 1150,-1860 1205,-1805 ; 1300,1715 1355,1660
  text "H1" at 410.01,1610 h40 r270
  text "H0" at 510.01,1610 h40 r270
  text "D10" at 610.01,1610 h40 r270
  text "D7" at 710.01,1610 h40 r270
  text "D4" at 810.01,1610 h40 r270
  text "D3" at 910.01,1610 h40 r270
  text "D2" at 410.01,1360 h40 r270
  text "D1" at 510.01,1360 h40 r270
  text "D0" at 610.01,1360 h40 r270
  text "C15" at 710.01,1360 h40 r270
  text "C14" at 810.01,1360 h40 r270
  text "C13" at 910.01,1360 h40 r270
  text "C12" at 1010.01,1360 h40 r270
  text "C9" at 1110.01,1360 h40 r270
  text "E0" at -50,1110.01 h40
  text "E4" at 200,1110.01 h40
  text "B0" at 1500,1110.01 h40
  text "C8" at 1750,1110.01 h40
  text "TX-RX" at -915,1100 h40 r270
  text "E1" at -50,1010.01 h40
  text "E5" at 200,1010.01 h40
  text "A15" at 1500,1010.01 h40
  text "C7" at 1750,1010.01 h40
  text "E2" at -50,910.01 h40
  text "E6" at 200,910.01 h40
  text "A12" at 1500,910.01 h40
  text "C5" at 1750,910.01 h40
  text "E3" at -50,810.01 h40
  text "E7" at 200,810.01 h40
  text "A11" at 1500,810.01 h40
  text "C4" at 1750,810.01 h40
  text "B1" at -50,710.01 h40
  text "C0" at 200,710.01 h40
  text "A10" at 1500,710.01 h40
  text "D14" at 1750,710.01 h40
  text "B2" at -50,610.01 h40
  text "C1" at 200,610.01 h40
  text "A9" at 1500,610.01 h40
  text "D13" at 1750,610.01 h40
  text "B4" at -50,510.01 h40
  text "C2" at 200,510.01 h40
  text "A8" at 1500,510.01 h40
  text "D12" at 1750,510.01 h40
  text "B5" at -50,410.01 h40
  text "C3" at 200,410.01 h40
  text "A3" at 1500,410.01 h40
  text "D11" at 1750,410.01 h40
  text "E8" at 410.01,60 h40 r270
  text "E10" at 510.01,60 h40 r270
  text "E12" at 610.01,60 h40 r270
  text "B9" at 810.01,60 h40 r270
  text "B10" at 910.01,60 h40 r270
  text "B11" at 1010.01,60 h40 r270
  text "B12" at 1110.01,60 h40 r270
  text "GND-3V3" at 816.71,-109.99 h40
  text "DEB-BTN" at 1156.71,-109.99 h40
  text "EN" at -783.32,-1695 h40
  text "P0" at -683.32,-1695 h40
  text "TX" at -583.32,-1695 h40
  text "P2" at -483.32,-1695 h40
  text "RX" at -383.32,-1695 h40
  text "P4" at -283.32,-1695 h40
  text "P5" at -183.32,-1695 h40
  text "CLK" at -98.32,-1695 h40
  text "SD0-3" at 106.7,-1695 h40
  text "CMD" at 396.68,-1695 h40
  text "P16-18" at 543.37,-1695 h40
  text "P19" at -719.98,-1895 h40
  text "P21-23" at -559.96,-1895 h40
  text "P25-27" at -263.3,-1895 h40
  text "P32-35" at 86.7,-1895 h40
  text "SVP" at 421.68,-1895 h40
  text "SVN" at 551.68,-1895 h40
  text "GND" at 725,-1984.99 h40
Bottom Overlay:
  lines w50: -1895,42.15 -1895,375 -1863.59,406.41 ; -1834.95,-829.82 -1898.65,-766.11 -1898.65,-565.44 -1770,-436.79 -1770,-240.87 -1810.87,-200 -1817.01,-200 ; -1758.78,115 -1758.78,38.78 -1660,-60 -1660,-533.74 -1673.13,-546.87
Mechanical 1:
  lines w10: -2066.93,0 2066.93,0 ; 0,-2066.93 0,2066.93
  lines w39.37: -2066.93,-1082.68 -1082.68,-2066.93 1082.68,-2066.93 2066.93,-1082.68 2066.93,1082.68 1082.68,2066.93 -1082.68,2066.93 -2066.93,1082.68 -2066.93,-1082.68

## Text inside footprints (layer, text, board x,y; h text height)
LC: Top Overlay "3V3" at -479.99,1523.32 h40 r270; Top Overlay "5V" at -740.01,1436.68 h40 r90
USB: Mechanical 13 "PCB Edge" at -2051.18,673.46 h40 r270